# KiCad board yddraig030.kicad_pcb
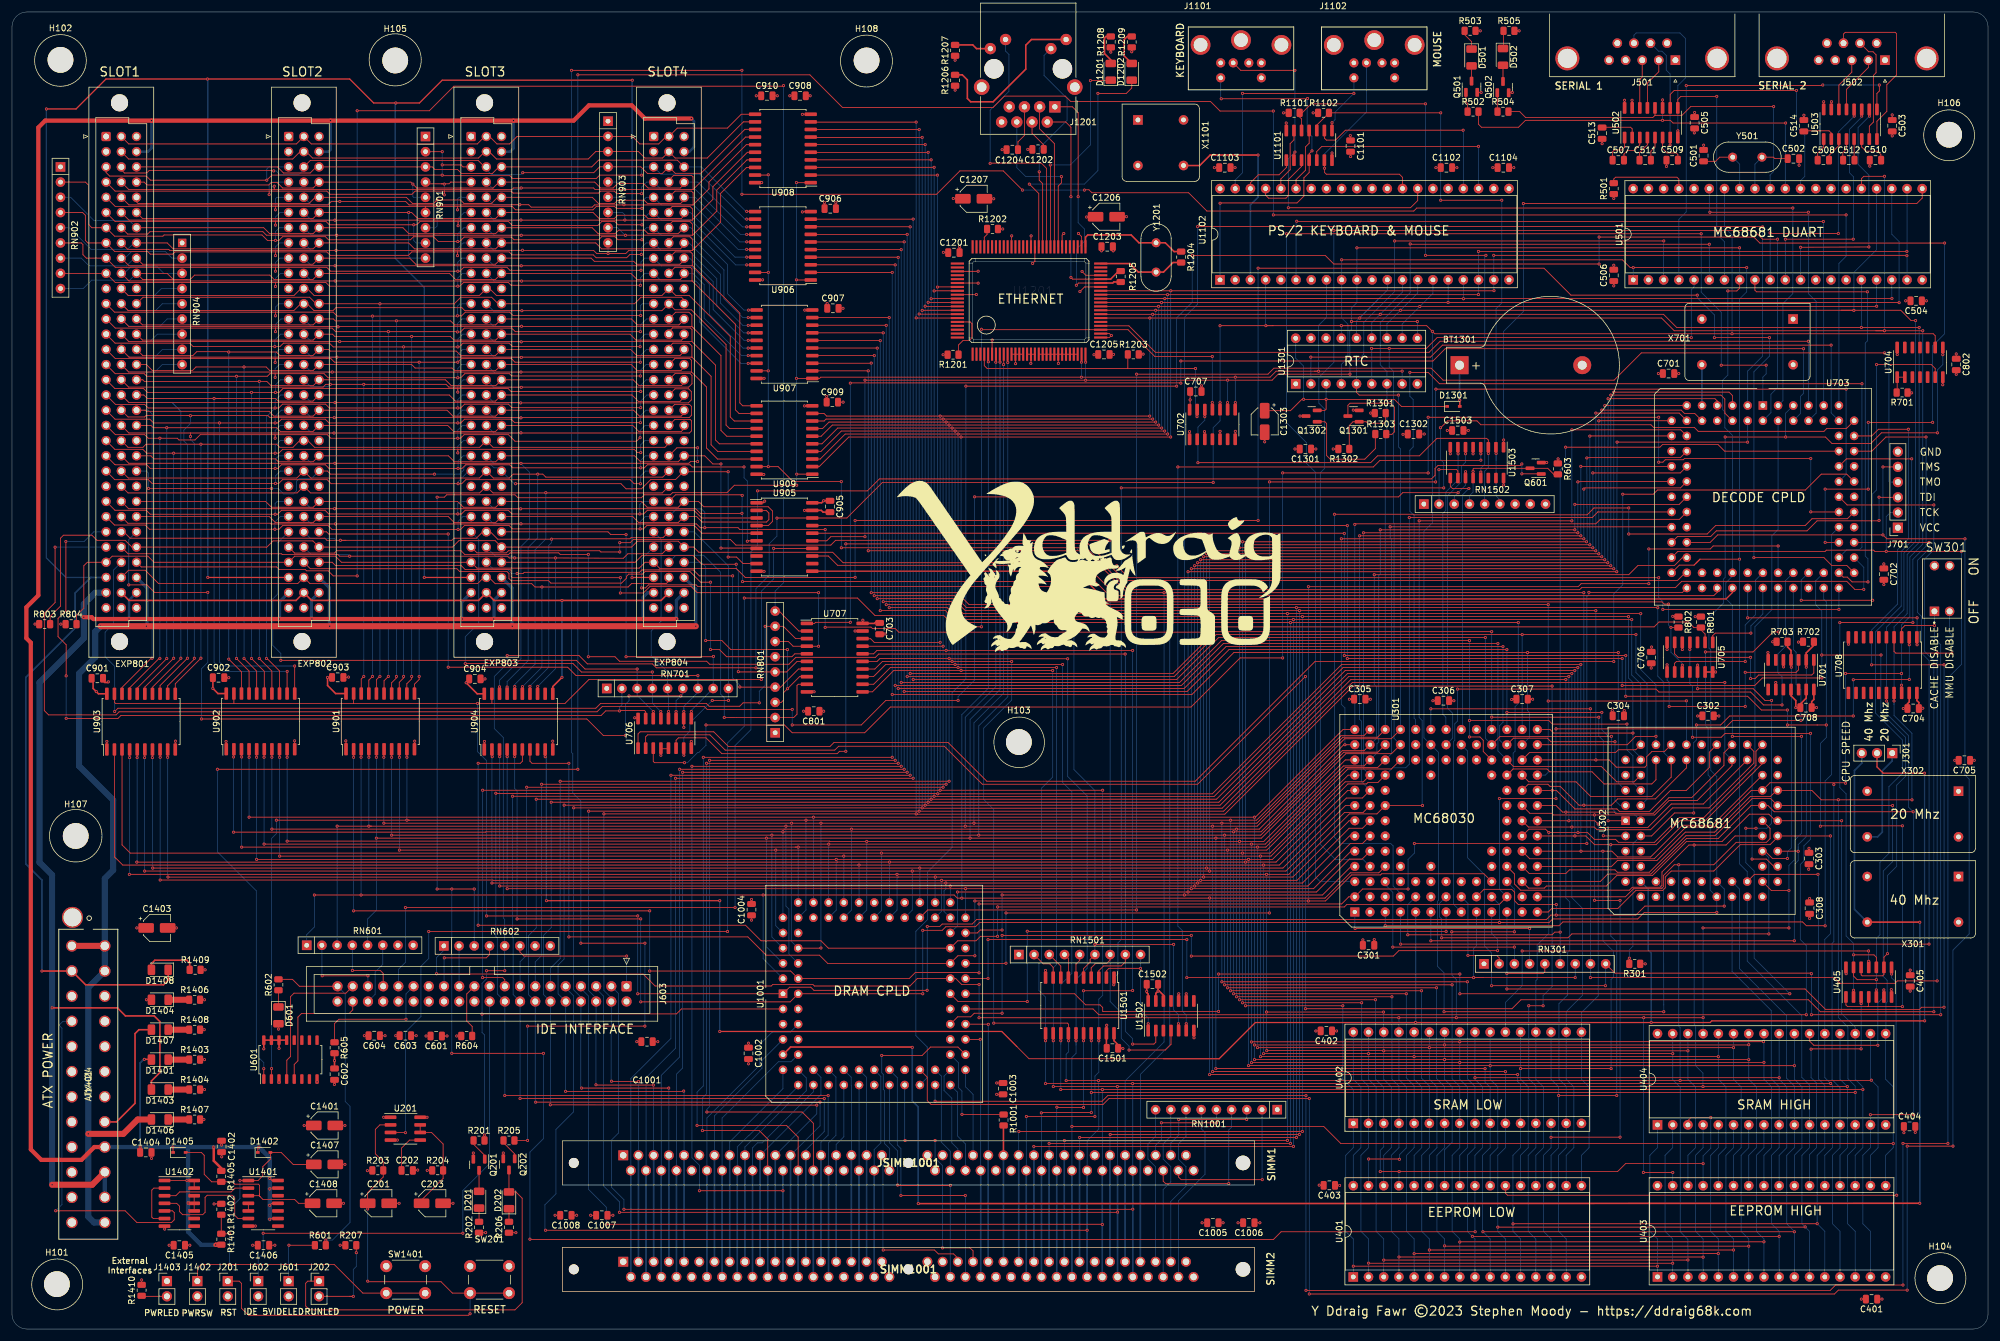
[diagram p0: board, top side]
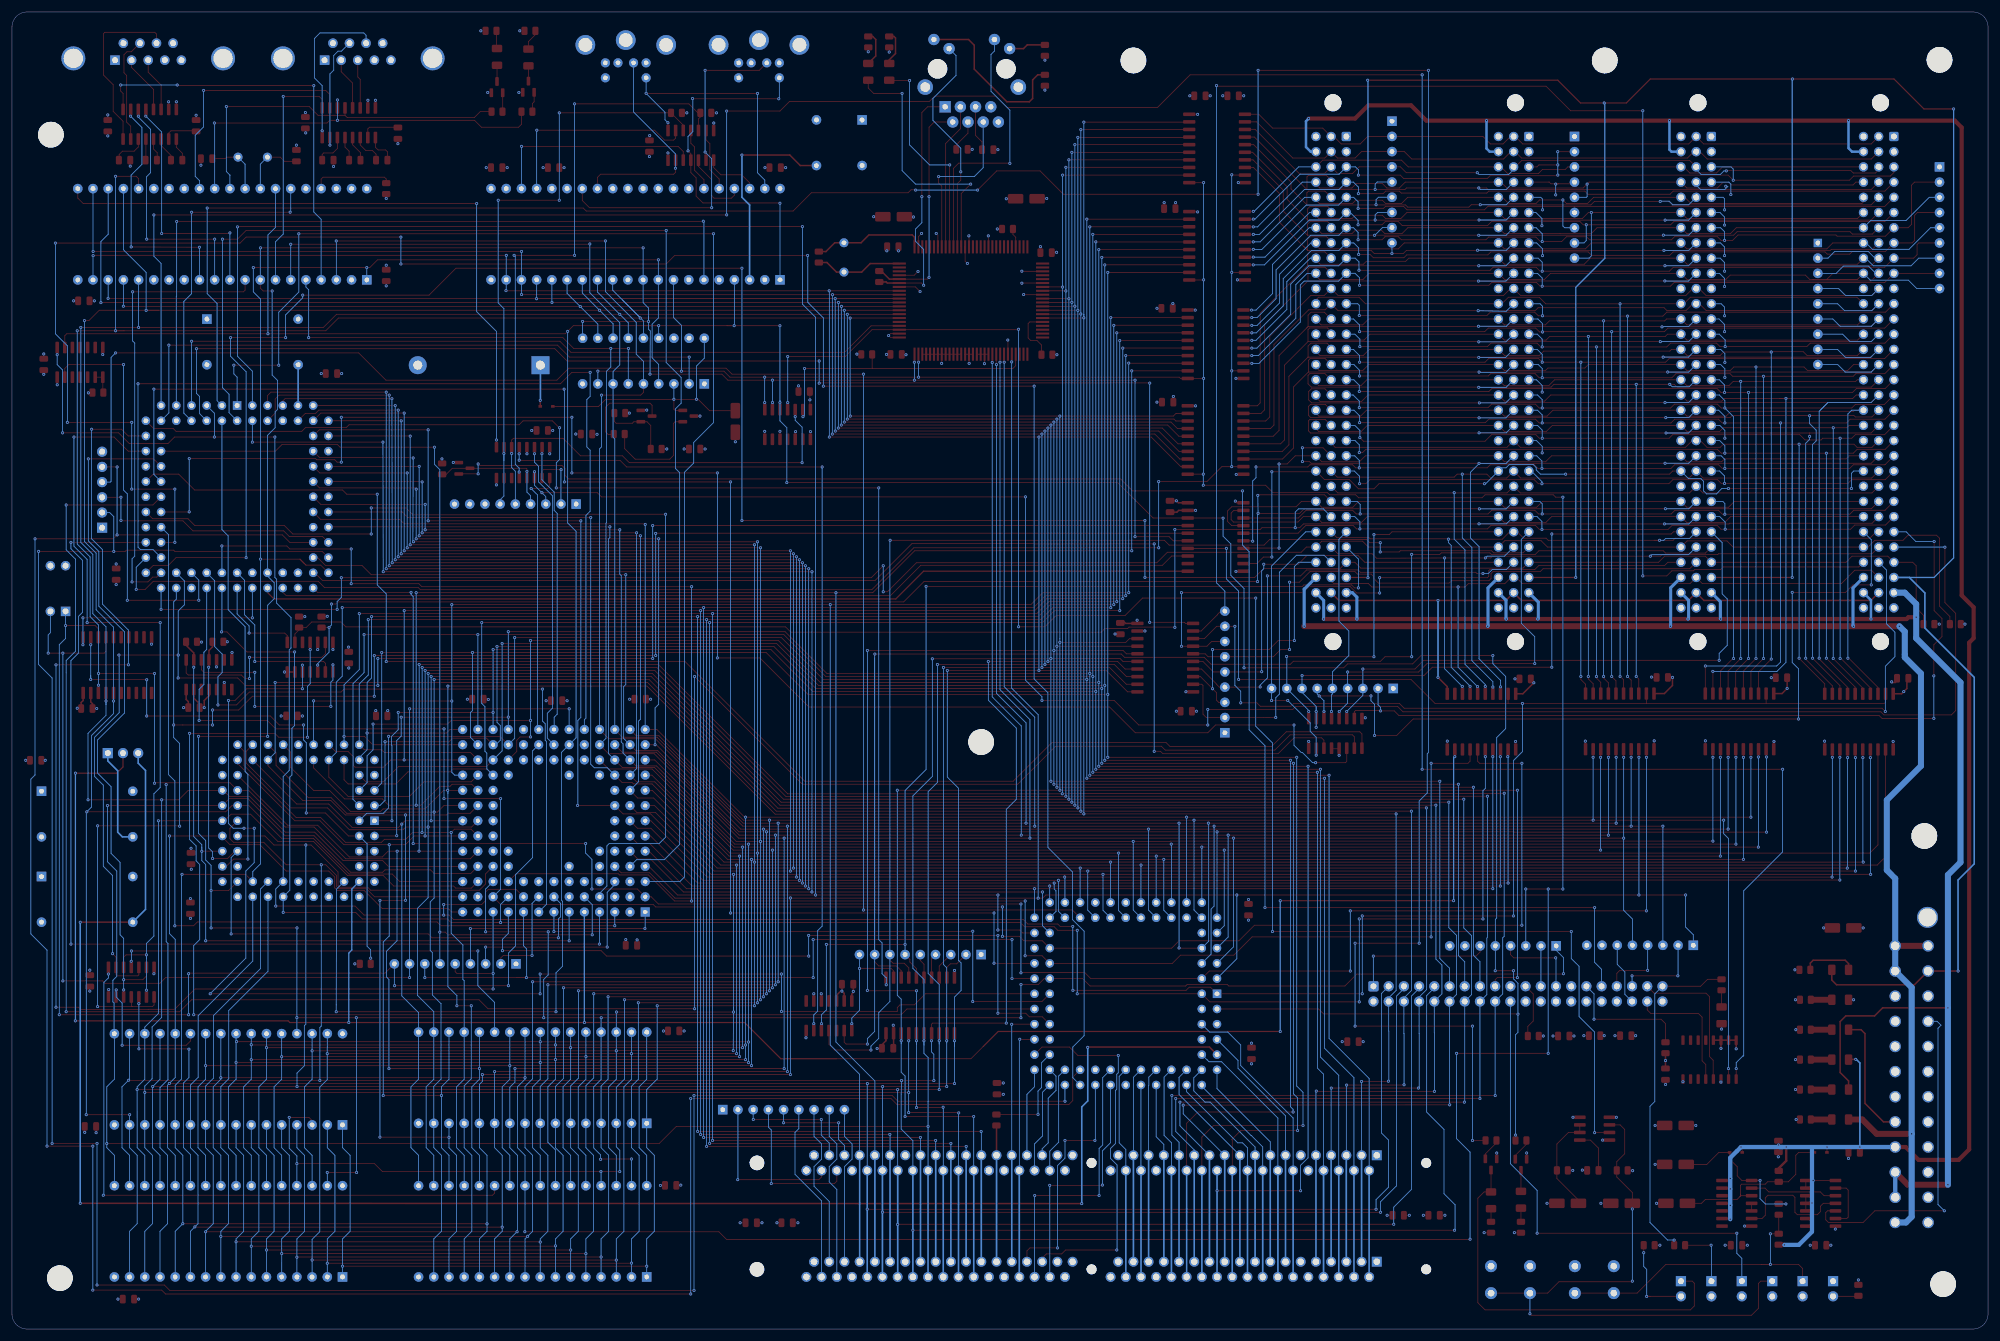
[diagram p1: board, bottom side, seen from below]

Outline 330 x 220 mm; copper layers: Top, In1.Cu (plane), In2.Cu (plane), Bottom. Coordinates in mm from the lower left corner of the outline.
Outline path: 0,217.5 0,2.5 arc(0.73,0.73) 2.5,0 327.5,0 arc(329.27,0.73) 330,2.5 330,217.5 arc(329.27,219.27) 327.5,220 2.5,220 arc(0.73,219.27) 0,217.5
Stack: Top 0.035mm / dielectric 1.51mm FR4 er 4.5 / In1.Cu 0.035mm / dielectric 1.51mm FR4 er 4.5 / In2.Cu 0.035mm / dielectric 1.51mm FR4 er 4.5 / Bottom 0.035mm

## Placement (name value [footprint] x y rotation side)
BT1301  CR2032  [BatteryHolder_Keystone_103_1x20mm]  241.75 161 0 top
C201  10uF  [CP_Elec_4x5.3]  61.2 21 0 top
C202  10nF  [C_0805_2012Metric]  66 26.5 0 top
C203  10uF  [CP_Elec_4x5.3]  70.2 21 0 top
C301  100nF  [C_0805_2012Metric]  226.55 64.1 180 top
C302  100nF  [C_0805_2012Metric]  283.25 102.43 0 top
C303  100nF  [C_0805_2012Metric]  300.1 78.6 270 top
C304  100nF  [C_0805_2012Metric]  268.26 102.43 0 top
C305  100nF  [C_0805_2012Metric]  225.08 105.22 0 top
C306  100nF  [C_0805_2012Metric]  239.05 104.97 0 top
C307  100nF  [C_0805_2012Metric]  252.19 105.22 0 top
C308  100nF  [C_0805_2012Metric]  300.2 70.3 270 top
C401  100nF  [C_0805_2012Metric]  310.55 5 180 top
C402  100nF  [C_0805_2012Metric]  219.5 49.8 180 top
C403  100nF  [C_0805_2012Metric]  220 24 180 top
C404  100nF  [C_0805_2012Metric]  316.9 33.85 0 top
C405  100nF  [C_0805_2012Metric]  317 58.15 270 top
C501  10pF  [C_0805_2012Metric]  282.5 196 90 top
C502  5pF  [C_0805_2012Metric]  297.5 195.5 0 top
C503  100nF  [C_0805_2012Metric]  314 201 270 top
C504  100nF  [C_0805_2012Metric]  318 171.75 180 top
C505  100nF  [C_0805_2012Metric]  281 201.5 270 top
C506  100nF  [C_0805_2012Metric]  267.5 176 90 top
C507  100nF  [C_0805_2012Metric]  268.25 195.25 0 top
C508  100nF  [C_0805_2012Metric]  302.5 195.25 0 top
C509  100nF  [C_0805_2012Metric]  277.25 195.25 180 top
C510  100nF  [C_0805_2012Metric]  311.2 195.25 180 top
C511  100nF  [C_0805_2012Metric]  272.75 195.25 0 top
C512  100nF  [C_0805_2012Metric]  306.75 195.25 0 top
C513  100nF  [C_0805_2012Metric]  265.55 199.75 90 top
C514  100nF  [C_0805_2012Metric]  299.25 201 90 top
C601  100nF  [C_0805_2012Metric]  70.85 48.95 180 top
C602  100nF  [C_0805_2012Metric]  53.86 42.57 270 top
C603  100nF  [C_0805_2012Metric]  65.7 49 180 top
C604  100nF  [C_0805_2012Metric]  60.5 49 180 top
C701  100nF  [C_0805_2012Metric]  276.65 159.6 0 top
C702  100nF  [C_0805_2012Metric]  312.6 126.1 270 top
C703  100nF  [C_0805_2012Metric]  144.9 117 270 top
C704  100nF  [C_0805_2012Metric]  317.5 103.65 180 top
C705  100nF  [C_0805_2012Metric]  326.05 95 180 top
C706  100nF  [C_0805_2012Metric]  273.76 112.16 90 top
C707  100nF  [C_0805_2012Metric]  197.7 156.6 0 top
C708  100nF  [C_0805_2012Metric]  299.6 103.8 180 top
C801  100nF  [C_0805_2012Metric]  133.9 103.2 180 top
C802  100nF  [C_0805_2012Metric]  324.69 161.12 270 top
C901  100nF  [C_0805_2012Metric]  14.25 108.7 0 top
C902  100nF  [C_0805_2012Metric]  34.5 108.8 0 top
C903  100nF  [C_0805_2012Metric]  54.4 108.85 0 top
C904  100nF  [C_0805_2012Metric]  77.3 108.6 0 top
C905  100nF  [C_0805_2012Metric]  136.6 137.4 270 top
C906  100nF  [C_0805_2012Metric]  136.65 187.15 0 top
C907  100nF  [C_0805_2012Metric]  137.1 170.5 0 top
C908  100nF  [C_0805_2012Metric]  131.62 206 0 top
C909  100nF  [C_0805_2012Metric]  137 154.82 0 top
C910  100nF  [C_0805_2012Metric]  126.07 206 0 top
C1001  100nF  [C_0805_2012Metric]  106.05 48 180 top
C1002  100nF  [C_0805_2012Metric]  123 46.05 270 top
C1003  100nF  [C_0805_2012Metric]  165.5 40.15 270 top
C1004  100nF  [C_0805_2012Metric]  123.5 70.05 90 top
C1005  100nF  [C_0805_2012Metric]  200.55 17.75 180 top
C1006  100nF  [C_0805_2012Metric]  206.55 17.75 180 top
C1007  100nF  [C_0805_2012Metric]  98.5 19 180 top
C1008  100nF  [C_0805_2012Metric]  92.5 19 180 top
C1101  100nF  [C_0805_2012Metric]  223.54 197.6 270 top
C1102  100nF  [C_0805_2012Metric]  239.55 194 0 top
C1103  100nF  [C_0805_2012Metric]  202.55 194 0 top
C1104  100nF  [C_0805_2012Metric]  249.05 194 0 top
C1201  100nF  [C_0805_2012Metric]  157.3 179.8 0 top
C1202  10nF  [C_0805_2012Metric]  171.35 197.05 180 top
C1203  100nF  [C_0805_2012Metric]  182.9 180.8 0 top
C1204  10nF  [C_0805_2012Metric]  167.05 197 180 top
C1205  100nF  [C_0805_2012Metric]  182.35 162.8 0 top
C1206  47uF  [CP_Elec_4x5.7]  182.76 185.8 0 top
C1207  47uF  [CP_Elec_4x5.7]  160.6 188.8 0 top
C1301  100nF  [C_0805_2012Metric]  216 147 180 top
C1302  100nF  [C_0805_2012Metric]  234.05 149.5 0 top
C1303  10uF  [CP_Elec_4x5.3]  209.2 151.6 270 top
C1401  47uF  [CP_Elec_4x5.3]  52.2 34 0 top
C1402  100nF  [C_0805_2012Metric]  35 30.5 270 top
C1403  47uF  [CP_Elec_4x5.3]  24.2 67 0 top
C1404  100nF  [C_0805_2012Metric]  22.35 29.5 0 top
C1405  100nF  [C_0805_2012Metric]  27.95 14 180 top
C1406  100nF  [C_0805_2012Metric]  42 14 180 top
C1407  1uF  [CP_Elec_4x5.3]  52.2 27.5 0 top
C1408  10uF  [CP_Elec_4x5.3]  52 21 0 top
C1501  100nF  [C_0805_2012Metric]  183.78 46.9 180 top
C1502  100nF  [C_0805_2012Metric]  190.45 57.6 0 top
C1503  100nF  [C_0805_2012Metric]  241.45 150.1 0 top
D201  RED  [LED_1206_3216Metric]  78 21.6 90 top
D202  GREEN  [LED_1206_3216Metric]  83 21.5 90 top
D501  Green  [LED_1206_3216Metric]  243.75 212.4 270 top
D502  Green  [LED_1206_3216Metric]  249 212.5 270 top
D601  Blue  [LED_1206_3216Metric]  44.5 52.4 270 top
D1201  LED  [LED_1206_3216Metric]  183.5 210 90 top
D1202  LED  [LED_1206_3216Metric]  187 210 90 top
D1301  1N4148  [D_SOD-323]  240.73 154.12 0 top
D1401  LED  [LED_1206_3216Metric]  24.69 45 180 top
D1402  1N4148  [D_SOD-323]  42.1 29.5 0 top
D1403  LED  [LED_1206_3216Metric]  24.69 40 180 top
D1404  LED  [LED_1206_3216Metric]  24.69 55 180 top
D1405  1N4148  [D_SOD-323]  27.95 29.5 0 top
D1406  LED  [LED_1206_3216Metric]  24.69 35 180 top
D1407  LED  [LED_1206_3216Metric]  24.69 50 180 top
D1408  LED  [LED_1206_3216Metric]  24.69 60 180 top
EXP801  SLOT1  [DIN41612_C_3x32_Female_Vertical_THT]  15.72 199.2 0 top
EXP802  SLOT2  [DIN41612_C_3x32_Female_Vertical_THT]  46.2 199.2 0 top
EXP803  SLOT3  [DIN41612_C_3x32_Female_Vertical_THT]  76.68 199.2 0 top
EXP804  SLOT4  [DIN41612_C_3x32_Female_Vertical_THT]  107.16 199.2 0 top
G***  LOGO  [Ddraig030-65mm]  180.3 128 0 top
H101  MountingHole  [MountingHole_4.3mm_M4]  7.5 7.5 0 top
H102  MountingHole  [MountingHole_4.3mm_M4]  8.1 212 0 top
H103  MountingHole  [MountingHole_4.3mm_M4]  168.15 98.05 0 top
H104  MountingHole  [MountingHole_4.3mm_M4]  322 8.5 0 top
H105  MountingHole  [MountingHole_4.3mm_M4]  64 211.9 0 top
H106  MountingHole  [MountingHole_4.3mm_M4]  323.5 199.5 0 top
H107  MountingHole  [MountingHole_4.3mm_M4]  10.64 82.36 0 top
H108  MountingHole  [MountingHole_4.3mm_M4]  142.72 211.9 0 top
J201  ExtReset  [PinHeader_1x02_P2.54mm_Vertical]  36.04 8 0 top
J202  Ext RUN LED  [PinHeader_1x02_P2.54mm_Vertical]  51.28 8 0 top
J301  Speed Select  [PinHeader_1x03_P2.54mm_Vertical]  314 96.2 270 top
J501  Serial1  [DSUB-9_Male_Horizontal_P2.77x2.84mm_EdgePinOffset4.94mm_Housed_MountingHolesOffset7.48mm]  277.79 211.95 180 top
J502  Serial2  [DSUB-9_Male_Horizontal_P2.77x2.84mm_EdgePinOffset4.94mm_Housed_MountingHolesOffset7.48mm]  312.79 211.95 180 top
J601  IDE LED  [PinHeader_1x02_P2.54mm_Vertical]  46.2 8 0 top
J602  IDE 5V  [PinHeader_1x02_P2.54mm_Vertical]  41.12 8 0 top
J603  IDE_Interface  [IDC-Header_2x20_P2.54mm_Vertical]  102.63 57.25 270 top
J701  JTAG  [PinSocket_1x06_P2.54mm_Vertical]  314.95 133.85 180 top
J1101  Keyboard  [MINI-DIN-6-FULL-SHIELD]  205.25 220 0 top
J1102  Mouse  [MINI-DIN-6-FULL-SHIELD]  227.5 220 0 top
J1201  RJ45  [RJ45_Amphenol_RJMG1BD3B8K1ANR]  174.16 204.16 180 top
J1401  ATX-24  [1-1775099-3]  15.5 64 270 top
J1402  ExtPWR  [PinHeader_1x02_P2.54mm_Vertical]  30.96 8 0 top
J1403  PWRLED  [PinHeader_1x02_P2.54mm_Vertical]  25.88 8 0 top
JSIMM1001  SIMM-72  [58220214]  102.08 29.02 180 top
Q201  BC858  [SOT-23]  78 27.44 270 top
Q202  BC858  [SOT-23]  83 27.5 270 top
Q501  BC858  [SOT-23]  243.75 207.51 90 top
Q502  BC858  [SOT-23]  249 207.45 90 top
Q601  2N7002  [SOT-23]  254.45 143.78 180 top
Q1301  BC817  [SOT-23]  224.04 152.5 180 top
Q1302  BC807  [SOT-23]  217.04 152.5 180 top
R201  1K  [R_0805_2012Metric]  78 31.5 0 top
R202  150R  [R_0805_2012Metric]  78 17 90 top
R203  10K  [R_0805_2012Metric]  61.09 26.5 0 top
R204  38K  [R_0805_2012Metric]  71.09 26.5 0 top
R205  1K  [R_0805_2012Metric]  83 31.5 0 top
R206  150R  [R_0805_2012Metric]  83 17 90 top
R207  150R  [R_0805_2012Metric]  56.59 14 0 top
R301  10K  [R_0805_2012Metric]  271 61 180 top
R501  4K7  [R_0805_2012Metric]  267.5 190.5 90 top
R502  150R  [R_0805_2012Metric]  244 203.35 0 top
R503  150R  [R_0805_2012Metric]  243.5 216.85 0 top
R504  150R  [R_0805_2012Metric]  249 203.35 0 top
R505  150R  [R_0805_2012Metric]  250 216.85 0 top
R601  330R  [R_0805_2012Metric]  51.5 14 0 top
R602  330R  [R_0805_2012Metric]  44.5 57.5 90 top
R603  1M  [R_0805_2012Metric]  258.16 143.68 270 top
R604  10K  [R_0805_2012Metric]  75.94 48.95 180 top
R605  10K  [R_0805_2012Metric]  53.86 46.99 270 top
R701  4K7  [R_0805_2012Metric]  315.65 156.43 180 top
R702  110R  [R_0805_2012Metric]  300.01 114.8 0 top
R703  110R  [R_0805_2012Metric]  295.6 114.8 0 top
R801  2K2  [R_0805_2012Metric]  282.05 118.09 270 top
R802  2K2  [R_0805_2012Metric]  278.3 118.09 270 top
R803  10K  [R_0805_2012Metric]  5.46 117.74 0 top
R804  10K  [R_0805_2012Metric]  9.87 117.74 0 top
R1001  22R  [R_0805_2012Metric]  165.6 34.91 90 top
R1101  10K  [R_0805_2012Metric]  214.13 203.15 0 top
R1102  10K  [R_0805_2012Metric]  219.03 203.15 0 top
R1201  27K  [R_0805_2012Metric]  157.16 162.75 180 top
R1202  10K  [R_0805_2012Metric]  163.75 183.75 0 top
R1203  10K  [R_0805_2012Metric]  187.26 162.8 0 top
R1204  10M  [R_0805_2012Metric]  195.25 179.06 270 top
R1205  200R  [R_0805_2012Metric]  185.16 175.81 270 top
R1206  680R  [R_0805_2012Metric]  157.5 208.59 90 top
R1207  680R  [R_0805_2012Metric]  157.5 213.59 90 top
R1208  680R  [R_0805_2012Metric]  183.5 215 90 top
R1209  680R  [R_0805_2012Metric]  187 215 90 top
R1301  4K7  [R_0805_2012Metric]  228.5 153 0 top
R1302  4K7  [R_0805_2012Metric]  222.41 147 180 top
R1303  4K7  [R_0805_2012Metric]  228.59 149.5 0 top
R1401  10K  [R_0805_2012Metric]  34.95 15 90 top
R1402  470R  [R_0805_2012Metric]  34.95 20 270 top
R1403  330R  [R_0805_2012Metric]  30.5 45 0 top
R1404  680R  [R_0805_2012Metric]  30.5 40 0 top
R1405  10K  [R_0805_2012Metric]  34.95 25.5 270 top
R1406  330R  [R_0805_2012Metric]  30.5 55 0 top
R1407  330R  [R_0805_2012Metric]  30.5 35 0 top
R1408  330R  [R_0805_2012Metric]  30.5 50 0 top
R1409  680R  [R_0805_2012Metric]  30.59 60 0 top
R1410  330R  [R_0805_2012Metric]  21.65 6.46 90 top
RN301  10K  [R_Array_SIP9]  245.82 61 0 top
RN601  22R  [R_Array_SIP8]  49.22 64.1 0 top
RN602  22R  [R_Array_SIP8]  72.12 64 0 top
RN701  2K2  [R_Array_SIP9]  99.32 107 0 top
RN801  10K  [R_Array_SIP9]  127.45 99.6 90 top
RN901  10K  [R_Array_SIP9]  69.06 199.2 270 top
RN902  10K  [R_Array_SIP9]  8.1 194.12 270 top
RN903  10K  [R_Array_SIP9]  99.54 201.75 270 top
RN904  10K  [R_Array_SIP9#2]  28.42 181.42 270 top
RN1001  10K  [R_Array_SIP9]  211.3 36.64 180 top
RN1501  10K  [R_Array_SIP9]  168.15 62.55 0 top
RN1502  10K  [R_Array_SIP9]  235.78 137.8 0 top
SIMM1001  SIMM-72  [58220214]  102.08 11.24 180 top
SW201  Reset  [SW_PUSH_6mm_H4.3mm]  76.5 10.5 0 top
SW301  DS01-254-L-02BE  [SW_DS01-254-L-02BE]  322.32 123.69 0 top
SW1401  SW_SPST  [SW_PUSH_6mm_H4.3mm]  62.5 10.5 0 top
U201  NE555P  [SOIC-8_3.9x4.9mm_P1.27mm]  65.7 33.47 0 top
U301  MC68030  [MC68030RC]  239.49 84.9 270 top
U302  MC68881FN  [PLCC-68_THT-Socket]  269.47 84.9 90 top
U401  SST39SF040  [DIP-32_W15.24mm_Socket]  224 8.7 90 top
U402  AS6C4008-55PCN  [DIP-32_W15.24mm_Socket]  224 34.35 90 top
U403  SST39SF040  [DIP-32_W15.24mm_Socket]  274.8 8.7 90 top
U404  AS6C4008-55PCN  [DIP-32_W15.24mm_Socket]  274.8 34.1 90 top
U405  SN74F32DRG4  [SO-14_3.9x8.65mm_P1.27mm]  310.08 57.94 90 top
U501  68681  [DIP-40_W15.24mm_Socket]  270.75 175.25 90 top
U502  MAX202CDW  [SOIC-16_3.9x9.9mm_P1.27mm]  273.75 201.5 90 top
U503  MAX202CDW  [SOIC-16_3.9x9.9mm_P1.27mm]  307 201.25 90 top
U601  SN74LS139AD  [SOIC-16_4.55x10.3mm_P1.27mm]  46.5 45 90 top
U701  SN74LS07DR  [SOIC-14_3.9x8.7mm_P1.27mm]  297.1 109.3 270 top
U702  SN74F04DRG4  [SO-14_3.9x8.65mm_P1.27mm]  200.47 151.1 90 top
U703  XC95108PC84  [PLCC-84_THT-Socket]  292.4 154.26 0 top
U704  SN74HC164D  [SOIC-14_3.9x8.7mm_P1.27mm]  318.64 161.47 90 top
U705  SN74LS21DR  [SOIC-14_3.9x8.7mm_P1.27mm]  280.21 112.22 270 top
U706  SN74LS138DR  [SOIC-16_3.9x9.9mm_P1.27mm]  109 99.5 90 top
U707  SN74LS541DWR  [SOIC-20W_7.5x12.8mm_P1.27mm]  137.4 112.15 0 top
U708  SN74LS541DWR  [SOIC-20W_7.5x12.8mm_P1.27mm]  312.4 110.9 270 top
U901  SN74F245NSR  [SOIC-20W_7.5x12.8mm_P1.27mm]  61.5 101.5 90 top
U902  SN74F245NSR  [SOIC-20W_7.5x12.8mm_P1.27mm]  41.5 101.5 90 top
U903  SN74F245NSR  [SOIC-20W_7.5x12.8mm_P1.27mm]  21.55 101.46 90 top
U904  SN74F245NSR  [SOIC-20W_7.5x12.8mm_P1.27mm]  84.59 101.46 90 top
U905  SN74F245NSR  [SOIC-20W_7.5x12.8mm_P1.27mm]  129 132.3 0 top
U906  SN74F245NSR  [SOIC-20W_7.5x12.8mm_P1.27mm]  128.75 180.94 180 top
U907  SN74F245NSR  [SOIC-20W_7.5x12.8mm_P1.27mm]  129 164.5 180 top
U908  SN74F245NSR  [SOIC-20W_7.5x12.8mm_P1.27mm]  128.75 197.2 180 top
U909  SN74F245NSR  [SOIC-20W_7.5x12.8mm_P1.27mm]  129 148.5 180 top
U1001  XC95108PC84  [PLCC-84_THT-Socket]  128.76 56 90 top
U1101  SN74LS06DRE4  [SOIC-14_3.9x8.7mm_P1.27mm]  216.63 197.72 90 top
U1102  VT82C42  [DIP-40_W15.24mm_Socket]  201.74 175.26 90 top
U1201  -  [RTL8019AS]  169.85 171.8 0 top
U1301  RTC-72421  [DIP-18_W7.62mm_Socket]  214.38 157.88 90 top
U1401  MC74HCT14ADR2G  [SOIC-14_3.9x8.7mm_P1.27mm]  41.95 21 0 top
U1402  74HCT74D,653  [SOIC-14_3.9x8.7mm_P1.27mm]  27.95 21 0 top
U1501  SN74LS541DW  [SOIC-20W_7.5x12.8mm_P1.27mm]  178.32 54.05 270 top
U1502  SN74LS21DR  [SOIC-14_3.9x8.7mm_P1.27mm]  193.56 52.32 90 top
U1503  SN74LS148DR  [SO-16_3.9x9.9mm_P1.27mm]  244.64 144.72 270 top
X301  40Mhz  [Oscillator_DIP-14]  325.07 75.59 180 top
X302  20Mhz  [Oscillator_DIP-14]  325.07 89.84 180 top
X701  40Mhz  [Oscillator_DIP-14]  297.45 168.7 180 top
X1101  CXO_DIP8  [Oscillator_DIP-8]  188.03 201.97 270 top
Y501  3.6864MHz  [Crystal_HC18-U_Vertical]  287.35 195.75 0 top
Y1201  20Mhz  [Crystal_HC18-U_Vertical]  191.06 181.45 270 top

## Library data of the parts
SW301 = -: MANUFACTURER: CUI; MAXIMUM_PACKAGE_HEIGHT: 7.0mm; PARTREV: 1.0; STANDARD: Manufacturer recommendations

## Footprints (pads in the part's own frame, mm; a bottom-side part is the same pattern mirrored in y, then rotated)
1-1775099-3
  round 1.905 hole 1.397: 1(0,0) 2(4.2,0) 3(8.4,0) 4(12.6,0) 5(16.8,0) 6(21,0) 7(25.2,0) 8(29.4,0) 9(33.6,0) 10(37.8,0) 11(42,0) 12(46.2,0) 13(0,-5.5) 14(4.2,-5.5) 15(8.4,-5.5) 16(12.6,-5.5) 17(16.8,-5.5) 18(21,-5.5) 19(25.2,-5.5) 20(29.4,-5.5) 21(33.6,-5.5) 22(37.8,-5.5) 23(42,-5.5) 24(46.2,-5.5)
  round 3.505 hole 2.997: 25(-4.764,-5.397)
58220214
  round 2.44 hole 2.44 unplated: (-103.505,1.27)
  round 1.66 hole 1.66 unplated: (-47.625,1.27) (8.255,1.27)
  rect 1.65x1.65 hole 1.1: 1(0,0)
  round 1.65 hole 1.1: 2(-1.27,2.54) 3(-2.54,0) 4(-3.81,2.54) 5(-5.08,0) 6(-6.35,2.54) 7(-7.62,0) 8(-8.89,2.54) 9(-10.16,0) 10(-11.43,2.54) 11(-12.7,0) 12(-13.97,2.54) 13(-15.24,0) 14(-16.51,2.54) 15(-17.78,0) 16(-19.05,2.54) 17(-20.32,0) 18(-21.59,2.54) 19(-22.86,0) 20(-24.13,2.54) 21(-25.4,0) 22(-26.67,2.54) 23(-27.94,0) 24(-29.21,2.54) 25(-30.48,0) 26(-31.75,2.54) 27(-33.02,0) 28(-34.29,2.54) 29(-35.56,0) 30(-36.83,2.54) 31(-38.1,0) 32(-39.37,2.54) 33(-40.64,0) 34(-41.91,2.54) 35(-43.18,0) 36(-44.45,2.54) 37(-50.8,0) 38(-52.07,2.54) 39(-53.34,0) 40(-54.61,2.54) 41(-55.88,0) 42(-57.15,2.54) 43(-58.42,0) 44(-59.69,2.54) 45(-60.96,0) 46(-62.23,2.54) 47(-63.5,0) 48(-64.77,2.54) 49(-66.04,0) 50(-67.31,2.54) 51(-68.58,0) 52(-69.85,2.54) 53(-71.12,0) 54(-72.39,2.54) 55(-73.66,0) 56(-74.93,2.54) 57(-76.2,0) 58(-77.47,2.54) 59(-78.74,0) 60(-80.01,2.54) 61(-81.28,0) 62(-82.55,2.54) 63(-83.82,0) 64(-85.09,2.54) 65(-86.36,0) 66(-87.63,2.54) 67(-88.9,0) 68(-90.17,2.54) 69(-91.44,0) 70(-92.71,2.54) 71(-93.98,0) 72(-95.25,2.54)
BatteryHolder_Keystone_103_1x20mm
  rect 3x3 hole 1.5: 1(0,0)
  round 3 hole 1.5: 2(20.49,0)
C_0805_2012Metric
  rrect 1x1.45 smd: 1(-0.95,0) 2(0.95,0)
CP_Elec_4x5.3
  rrect 2.6x1.6 smd: 1(-1.8,0) 2(1.8,0)
CP_Elec_4x5.7
  rrect 2.6x1.6 smd: 1(-1.8,0) 2(1.8,0)
Crystal_HC18-U_Vertical
  round 1.5 hole 0.8: 1(0,0) 2(4.9,0)
D_SOD-323
  rect 0.6x0.45 smd: 1(-1.05,0) 2(1.05,0)
DIN41612_C_3x32_Female_Vertical_THT
  round 2.85 hole 2.85 unplated: (2.24,5.63) (2.24,-84.37)
  rrect 1.55x1.55 hole 1: A1(0,0)
  round 1.55 hole 1: A2(0,-2.54) A3(0,-5.08) A4(0,-7.62) A5(0,-10.16) A6(0,-12.7) A7(0,-15.24) A8(0,-17.78) A9(0,-20.32) A10(0,-22.86) A11(0,-25.4) A12(0,-27.94) A13(0,-30.48) A14(0,-33.02) A15(0,-35.56) A16(0,-38.1) A17(0,-40.64) A18(0,-43.18) A19(0,-45.72) A20(0,-48.26) A21(0,-50.8) A22(0,-53.34) A23(0,-55.88) A24(0,-58.42) A25(0,-60.96) A26(0,-63.5) A27(0,-66.04) A28(0,-68.58) A29(0,-71.12) A30(0,-73.66) A31(0,-76.2) A32(0,-78.74) B1(2.54,0) B2(2.54,-2.54) B3(2.54,-5.08) B4(2.54,-7.62) B5(2.54,-10.16) B6(2.54,-12.7) B7(2.54,-15.24) B8(2.54,-17.78) B9(2.54,-20.32) B10(2.54,-22.86) B11(2.54,-25.4) B12(2.54,-27.94) B13(2.54,-30.48) B14(2.54,-33.02) B15(2.54,-35.56) B16(2.54,-38.1) B17(2.54,-40.64) B18(2.54,-43.18) B19(2.54,-45.72) B20(2.54,-48.26) B21(2.54,-50.8) B22(2.54,-53.34) B23(2.54,-55.88) B24(2.54,-58.42) B25(2.54,-60.96) B26(2.54,-63.5) B27(2.54,-66.04) B28(2.54,-68.58) B29(2.54,-71.12) B30(2.54,-73.66) B31(2.54,-76.2) B32(2.54,-78.74) C1(5.08,0) C2(5.08,-2.54) C3(5.08,-5.08) C4(5.08,-7.62) C5(5.08,-10.16) C6(5.08,-12.7) C7(5.08,-15.24) C8(5.08,-17.78) C9(5.08,-20.32) C10(5.08,-22.86) C11(5.08,-25.4) C12(5.08,-27.94) C13(5.08,-30.48) C14(5.08,-33.02) C15(5.08,-35.56) C16(5.08,-38.1) C17(5.08,-40.64) C18(5.08,-43.18) C19(5.08,-45.72) C20(5.08,-48.26) C21(5.08,-50.8) C22(5.08,-53.34) C23(5.08,-55.88) C24(5.08,-58.42) C25(5.08,-60.96) C26(5.08,-63.5) C27(5.08,-66.04) C28(5.08,-68.58) C29(5.08,-71.12) C30(5.08,-73.66) C31(5.08,-76.2) C32(5.08,-78.74)
DIP-18_W7.62mm_Socket
  rect 1.6x1.6 hole 0.8: 1(0,0)
  oval 1.6x1.6 hole 0.8: 2(0,-2.54) 3(0,-5.08) 4(0,-7.62) 5(0,-10.16) 6(0,-12.7) 7(0,-15.24) 8(0,-17.78) 9(0,-20.32) 10(7.62,-20.32) 11(7.62,-17.78) 12(7.62,-15.24) 13(7.62,-12.7) 14(7.62,-10.16) 15(7.62,-7.62) 16(7.62,-5.08) 17(7.62,-2.54) 18(7.62,0)
DIP-32_W15.24mm_Socket
  rect 1.6x1.6 hole 0.8: 1(0,0)
  oval 1.6x1.6 hole 0.8: 2(0,-2.54) 3(0,-5.08) 4(0,-7.62) 5(0,-10.16) 6(0,-12.7) 7(0,-15.24) 8(0,-17.78) 9(0,-20.32) 10(0,-22.86) 11(0,-25.4) 12(0,-27.94) 13(0,-30.48) 14(0,-33.02) 15(0,-35.56) 16(0,-38.1) 17(15.24,-38.1) 18(15.24,-35.56) 19(15.24,-33.02) 20(15.24,-30.48) 21(15.24,-27.94) 22(15.24,-25.4) 23(15.24,-22.86) 24(15.24,-20.32) 25(15.24,-17.78) 26(15.24,-15.24) 27(15.24,-12.7) 28(15.24,-10.16) 29(15.24,-7.62) 30(15.24,-5.08) 31(15.24,-2.54) 32(15.24,0)
DIP-40_W15.24mm_Socket
  rect 1.6x1.6 hole 0.8: 1(0,0)
  oval 1.6x1.6 hole 0.8: 2(0,-2.54) 3(0,-5.08) 4(0,-7.62) 5(0,-10.16) 6(0,-12.7) 7(0,-15.24) 8(0,-17.78) 9(0,-20.32) 10(0,-22.86) 11(0,-25.4) 12(0,-27.94) 13(0,-30.48) 14(0,-33.02) 15(0,-35.56) 16(0,-38.1) 17(0,-40.64) 18(0,-43.18) 19(0,-45.72) 20(0,-48.26) 21(15.24,-48.26) 22(15.24,-45.72) 23(15.24,-43.18) 24(15.24,-40.64) 25(15.24,-38.1) 26(15.24,-35.56) 27(15.24,-33.02) 28(15.24,-30.48) 29(15.24,-27.94) 30(15.24,-25.4) 31(15.24,-22.86) 32(15.24,-20.32) 33(15.24,-17.78) 34(15.24,-15.24) 35(15.24,-12.7) 36(15.24,-10.16) 37(15.24,-7.62) 38(15.24,-5.08) 39(15.24,-2.54) 40(15.24,0)
DSUB-9_Male_Horizontal_P2.77x2.84mm_EdgePinOffset4.94mm_Housed_MountingHolesOffset7.48mm
  round 4 hole 3.2: 0(-6.96,-0.3) 0(18.04,-0.3)
  rect 1.6x1.6 hole 1: 1(0,0)
  round 1.6 hole 1: 2(2.77,0) 3(5.54,0) 4(8.31,0) 5(11.08,0) 6(1.385,-2.84) 7(4.155,-2.84) 8(6.925,-2.84) 9(9.695,-2.84)